# Altium PCB WX0.012.446PCB-4.2.PcbDoc (part 1 of 3) (continued)
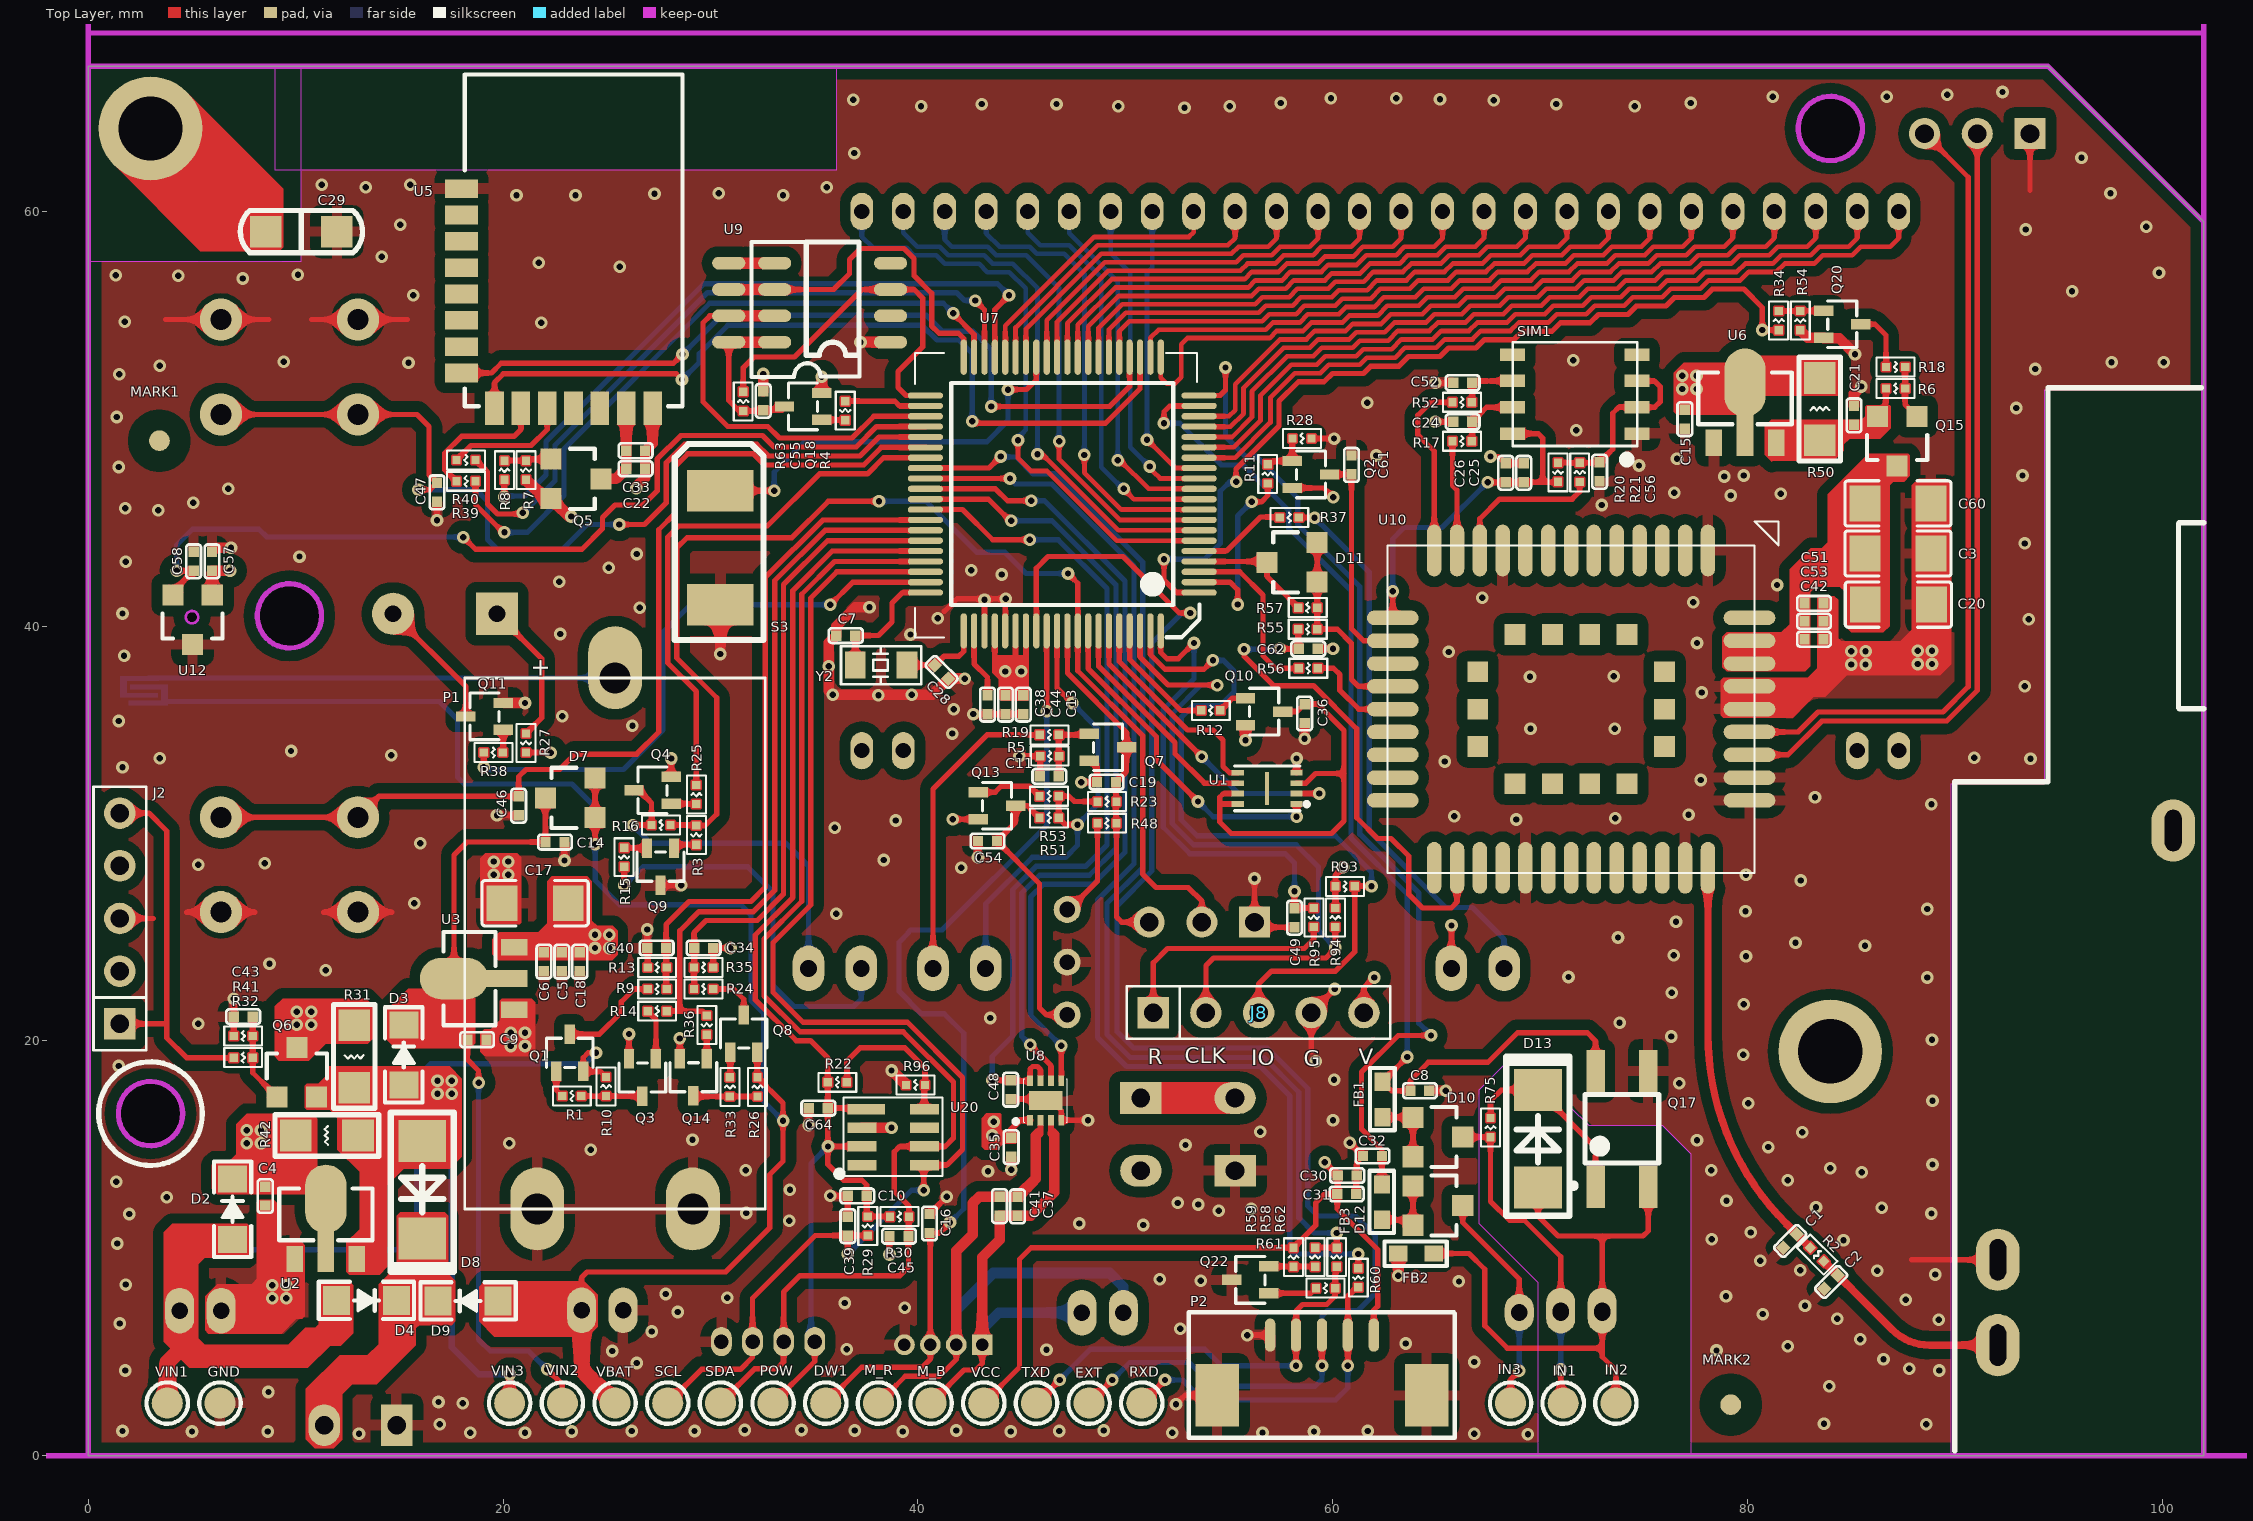
[diagram p0: Top Layer view]
## Design rules (kind name [scope] priority, off if disabled: settings)
Clearance SWS_Limit [IsComponentPad AND (AsMM(HoleSize) > 0)  AND NOT HasFootprint ('PIN254*')   AND NOT HasFootprint ('THT_BAT_14250') vs IsPAD AND (HasFootprint('*0402*') OR HasFootprint('*0603*') OR HasFootprint('*0805*') OR HasFootprint('SOT-23*')OR HasFootprint('SOT-323*'))] p1 off: gap=0.178 ignorepadtopadclearanceinfootprint=FALSE except(0: Arc-Hole Track-Hole SMDPad-Hole THPad-Hole Via-Hole Fill-Hole Poly-Hole Region-Hole Text-Hole; 4.5: SMDPad-THPad)
Clearance GKO_Limit_Track [IsTrack AND OnLayer('Keep-out Layer') vs IsPad AND (OnLayer('Top Layer') OR OnLayer('BOttom Layer'))AND not HasFootprint('TEST-PAD')AND not HasFootprint('DB809')AND not HasFootprint('Bridge_Pad')AND (Net<>'GND')] p2 off: gap=0.178 ignorepadtopadclearanceinfootprint=FALSE except(0: Arc-Hole Track-Hole SMDPad-Hole THPad-Hole Via-Hole Fill-Hole Poly-Hole Region-Hole Text-Hole; 4: Track-SMDPad)
Clearance GKO_Limit_PTH [IsPad AND  AsMM(HoleSize)>=3 vs IsPad AND (OnLayer('Top Layer') OR OnLayer('BOttom Layer'))] p3 off: gap=0.178 ignorepadtopadclearanceinfootprint=FALSE except(0: Arc-Hole Track-Hole SMDPad-Hole THPad-Hole Via-Hole Fill-Hole Poly-Hole Region-Hole Text-Hole; 4: SMDPad-THPad)
Clearance GKO_Limit_NPTH [IsArc AND OnLayer('Keep-out Layer') and (AsMM(ArcRadius) >=  1)   and (ArcStopAngle-ArcStartAngle= 360) vs IsPad AND (OnLayer('Top Layer') OR OnLayer('BOttom Layer'))AND not HasFootprint('TEST-PAD')AND not HasFootprint('Bridge_Pad')] p4 off: gap=0.178 ignorepadtopadclearanceinfootprint=FALSE except(0: Arc-Hole Track-Hole SMDPad-Hole THPad-Hole Via-Hole Fill-Hole Poly-Hole Region-Hole Text-Hole; 4: Arc-SMDPad)
Clearance ANT [InNetClass('ANT') vs InNet('GND')] p5: gap=0.508 ignorepadtopadclearanceinfootprint=FALSE except(0: Arc-Hole Track-Hole SMDPad-Hole THPad-Hole Via-Hole Fill-Hole Poly-Hole Region-Hole Text-Hole; 0.381: Arc-SMDPad Track-SMDPad SMDPad-SMDPad SMDPad-THPad SMDPad-Fill SMDPad-Poly SMDPad-Region SMDPad-Text; 0.559: Arc-Via Track-Via SMDPad-Via THPad-Via THPad-Fill THPad-Poly THPad-Region THPad-Text)
Clearance VIA-PAD-SAME [IsVia vs IsPad] p6: gap=0.381 ignorepadtopadclearanceinfootprint=FALSE except(0: Arc-Hole Track-Hole SMDPad-Via SMDPad-Hole THPad-Via THPad-Hole Via-Via Via-Hole Fill-Hole Poly-Hole Region-Hole Text-Hole)
Clearance VIA-VIA [ISVIA vs ISVIA] p7: gap=0.508 ignorepadtopadclearanceinfootprint=FALSE except(0: Arc-Hole Track-Hole SMDPad-Hole THPad-Hole Via-Hole Fill-Hole Poly-Hole Region-Hole Text-Hole)
Clearance VIA-PAD [ISVIA vs ISPAD] p8: gap=0.381 ignorepadtopadclearanceinfootprint=FALSE except(0: Arc-Hole Track-Hole SMDPad-Hole THPad-Hole Via-Hole Fill-Hole Poly-Hole Region-Hole Text-Hole)
Clearance VIA-TRACK [ISVIA vs ISTRACK] p9: gap=0.381 ignorepadtopadclearanceinfootprint=FALSE except(0: Arc-Hole Track-Hole SMDPad-Hole THPad-Hole Via-Hole Fill-Hole Poly-Hole Region-Hole Text-Hole)
Clearance Polygon [InPolygon] p10: gap=0.508 ignorepadtopadclearanceinfootprint=FALSE except(0: Arc-Hole Track-Hole SMDPad-Hole THPad-Hole Via-Hole Fill-Hole Poly-Hole Region-Hole Text-Hole)
Clearance [All] p11: gap=0.178 ignorepadtopadclearanceinfootprint=FALSE except(0: Arc-Hole Track-Hole SMDPad-Hole THPad-Hole Via-Hole Fill-Hole Poly-Hole Region-Hole Text-Hole)
ComponentClearance [All] p1 off: gap=0.254 collisioncheckmode=3 verticalgap=0.254 showdistances=FALSE
FabricationTestPointUsage TestPointUsage [All] p1: valid=0 allowmultiple=FALSE
FabricationTestpoint Testpoint [(IsPad And (OnTopLayer Or OnBottomLayer))] p1: side=3 testpointundercomponent=TRUE minsize=1.016 maxsize=2.54 preferedsize=1.524 minholesize=0 maxholesize=1.016 preferedholesize=0.813 testpointgrid=0.025 allowsidetop=TRUE allowsidebottom=TRUE usegrid=TRUE gridtolerance=0
HoleSize [All] p1 off: absolutevalues=TRUE maxlimit=7.62 minlimit=0 maxpercent=80.000 minpercent=20.000
HoleToHoleClearance [All] p1 off: gap=0.254 allowstackedmicrovias=TRUE
LayerPairs [All] p1 off: enforce=TRUE
MinimumSolderMaskSliver [All] p1 off: minsoldermaskwidth=0.254
NetAntennae [All] p1 off: netantennaetolerance=0
PlaneClearance [All] p1: clearance=0.508
PlaneConnect IRM [HasFootprint ('IRM-3638J7') AND (NET = 'GND')] p1: planeconnectstyle=NoConnect reliefexpansion=0.508 reliefentries=4 reliefconductorwidth=0.254 reliefairgap=0.254
PlaneConnect "DIP_Wire-To-Board Connector" [(HasFootprint ('PH2.0-2P') or HasFootprint ('1.5-4AW')  or HasFootprint ('PH200_1*')or HasFootprint ('CONN-TH_530480410')) AND (NET = 'GND')] p2: planeconnectstyle=NoConnect reliefexpansion=0.508 reliefentries=4 reliefconductorwidth=0.254 reliefairgap=0.254
PlaneConnect DIP_KEY1 [HasFootprint ('SWT_4_600_600')] p3: planeconnectstyle=NoConnect reliefexpansion=0.508 reliefentries=4 reliefconductorwidth=0.254 reliefairgap=0.254
PlaneConnect DIP_ELECT_CAP [(HasFootprint('CAPPC_350_800_1400') OR HasFootprint('CAPPC_350_800_1200') OR HasFootprint('CAPPC_350_800_1600R') OR HasFootprint('THT_BAT_14250')) and (net ='GND')] p4: planeconnectstyle=NoConnect reliefexpansion=0.508 reliefentries=4 reliefconductorwidth=0.254 reliefairgap=0.254
PlaneConnect "VIA_Direct Connect" [IsVia] p5: planeconnectstyle=Direct reliefexpansion=0.508 reliefentries=4 reliefconductorwidth=0.254 reliefairgap=0.254
PlaneConnect PIN_HEADER1 [HasFootprint ('*PIN254*')    AND (NET ='GND')] p6: planeconnectstyle=NoConnect reliefexpansion=0.508 reliefentries=4 reliefconductorwidth=0.254 reliefairgap=0.254
PlaneConnect [All] p7: planeconnectstyle=Relief reliefexpansion=0.508 reliefentries=4 reliefconductorwidth=0.508 reliefairgap=0.254
PolygonConnect DIP_KEY [HasFootprint ('SWT_4_600_600') vs InNet('GND')] p1: connectstyle=NoConnect reliefconductorwidth=0.254 reliefentries=4 polygonreliefangle="90 Angle" airgapwidth=0.254
PolygonConnect PIN_HEADER [All vs HasFootprint ('PIN254*')] p2: connectstyle=NoConnect reliefconductorwidth=0.254 reliefentries=4 polygonreliefangle="90 Angle" airgapwidth=0.508
PolygonConnect COVER_OPEN_SWITCH [HasFootprint('KEY')  Or  HasFootprint('KFT DIP-5.8X5.8') vs InNet('GND')] p3: connectstyle=NoConnect reliefconductorwidth=0.254 reliefentries=4 polygonreliefangle="90 Angle" airgapwidth=0.508
PolygonConnect SMD_ELECT_CAP [HasFootprint('CAPSM_178_660_780')  Or  HasFootprint('CAPSM_400_1000_1050') Or  HasFootprint('SMD_C 10*10.2') vs Net Like ('*GND*')] p4: connectstyle=Relief reliefconductorwidth=1.016 reliefentries=4 polygonreliefangle="90 Angle" airgapwidth=0.508
PolygonConnect [isvia] p5: connectstyle=Direct reliefconductorwidth=0.381 reliefentries=4 polygonreliefangle="90 Angle" airgapwidth=0.254
PolygonConnect PolygonConnect_1 [All] p6: connectstyle=Relief reliefconductorwidth=0.508 reliefentries=4 polygonreliefangle="90 Angle" airgapwidth=0.508
RoutingVias [All] p1: holewidth=0.254 width=0.508 viastyle="Through Hole" minholewidth=0.127 minwidth=0.127 maxholewidth=1.27 maxwidth=2.54
SilkToBoardRegionClearance [All] p1 off:
SilkToSilkClearance [All] p1 off: silktosilkclearance=0.254
SilkToSolderMaskClearance [IsPad] p1 off: minsilkscreentomaskgap=0.254 clearancetoexposedcopper=TRUE
SolderMaskExpansion [All] p1: expansion=0.102
Width LCD [InNetClass('LCD')] p1: maxlimit=0.229 minlimit=0.229 preferedwidth=0.229
Width [All] p2: maxlimit=7.62 minlimit=0.203 preferedwidth=0.203
17 further rules are at their usual default settings.

## Classes and differential pairs
net class ANT: NetC1_1 NetC2_1
component class WX0.012.461DL: * B1 C3 C4 C5 C6 C7 C8 C9 C10 C11 C12 C13 C14 C15 C16 C17 C18 C19 C20 C21 C23 C28 C29 C30 C31 C32 C34 C35 C36 C37 C38 C39 C40 C41 C42 C43 C44 C45 C46 C47 C48 C49 C50 C51 C53 C54 C55 C60 C64 D1 D2 D3 D4 D5 D6 D7 D8 D9 D10 D12 D13 DW1 EXT FB1 FB2 FB3 GND IN1 IN2 IN3 J1 J2 J3 J4 J6 J7 J8 J9 LCD1 M_B M_R MARK1 MARK2 P1 P2 P3 P4 P5 POW Q1 Q3 Q4 Q6 Q7 Q8 Q9 Q10 Q11 Q13 Q14 Q15 Q17 Q18 Q20 Q22 R1 R3 R4 R5 R6 R9 R10 R12 R13 R14 R15 R16 R18 R19 R22 R23 R24 R25 R26 R27 R29 R30 R31 R32 R33 R34 R35 R36 R37 R38 R41 R42 R48 R50 R51 R53 R54 R58 R59 R60 R61 R62 R63 R75 R93 R94 R95 R96 RXD S1 S2 SCL SDA TXD U1 U2 U3 U4 U6 U7 U8 U9 U20 VBAT VCC VIN1 VIN2 VIN3 Y2
component class WX0.012.462DL: C1 C2 C22 C24 C25 C26 C33 C52 C56 C57 C58 C61 C62 D11 P6 Q2 Q5 R2 R7 R8 R11 R17 R20 R21 R28 R39 R40 R52 R55 R56 R57 S3 SIM1 U5 U10 U12 W1
net class LCD: COM0 COM1 COM2 COM3 COM4 COM5 COM6 COM7 SEG0 SEG1 SEG2 SEG3 SEG4 SEG5 SEG6 SEG7 SEG8 SEG9 SEG10 SEG11 SEG12 SEG32 SEG33 SEG34 SEG35 SEG36
net class ESAM: ESAM_CLK ESAM_NC ESAM_POW ESAM_RST ESAM_SDA NetC55_1 NetQ18_1
net class LED: LED NetD1_2
net class FLASH: FLASH_CLK FLASH_CS FLASH_CTL FLASH_MISO FLASH_MOSI NetC36_1 NetQ10_1
net class GPRS: GPRS-RXD GPRS-TXD GPRS_3.6V GPRS_POWER GPRS_RST MCU_RXD0 MCU_TXD0 NB_DBG_RXD NB_DBG_TXD NetC21_1 NetQ2_1 NetQ15_1 NetQ20_1 NetQ20_3 RESET SIM_CLK SIM_DATA SIM_RST USIM_CLK USIM_DATA USIM_RST USIM_VDD VDD_EXT
net class 119: 119 119_BREAK IN1 IN2 IN3 NetD10_1 NetD12_1 NetD13_2
net class BLE/SLE: BLE_PWR_CTL BLE_STATUS BLE_WAKEUP NetC22_1 NetQ5_1 NetR39_2 NetR40_1 RXD4 TXD4
net class KEY: KEY_INTP8 KEY_INTP15
net class CAP: COVER_OPEN_DET
net class VALVE: VLV_B VLV_CLOSE VLV_O/C_DET VLV_OPEN VLV_R VLV_SLEEP
net class TP: NetR22_1 WY_POW WY_SCL WY_SDA
net class UMU: HIC1_EXT HIC1_RXD HIC1_TXD NetP2_2 NetP2_4 NetQ22_1 NetQ22_2
net class BEEP: BUZZ NetB1_1 NetB1_2 NetQ11_1
net class PWR_CHK: NetQ1_1 NetQ1_3 NetQ3_1 NetQ3_3 NetQ8_1 NetQ8_3 NetQ14_1 NetQ14_3 VBAT VBAT_SENSE_ADC14 VIN VIN_SENSE_ADC6 VOL_SENSE_EN
net class IRDA: CSB_IRDA_RX Csb_Irda_RXD_En CSB_IRDA_TX Csb_Irda_TXD_En NetC11_1 NetC54_2 NetD5_1 NetD5_2 NetD6_1 NetQ4_1 NetQ9_1 NetQ9_2 NetQ13_1 NetR48_1
net class PWR: 3.6V 5V NetC12_1 NetC12_2 NetC43_1 NetJ2_1 NetP1_1 VBAT VCC VIN VIN1 VIN_NB
net class OSC_XT32: XT1 XT2
net class "Tilt Switch": X1
net class GND: GND

## Components (designator, comment, footprint, x,y, rotation, side; value= is the part's Value field where it differs from the comment)
* "Bar Code1" "Bar Code1" 7.01,24.333 r0 bottom
B1 "HYT-0903" HYT-0903 19.7,40.6 r180 bottom locked
C1 "NC" CAP0402 82.064,10.357 r225 top
C2 "NC" CAP0402 84.04,8.381 r225 top
C3 "100uF/6.3V" GRM1206 87.263,43.506 r270 top
C4 "100nF/50V" CAP0402 8.534,12.522 r270 top
C5 "100nF/50V" CAP0402 22.835,23.825 r270 top
C6 "10uF/10V" CAP0402 21.971,23.825 r270 top
C7 "12pF/50V" CAP0402 36.525,39.548 r0 top
C8 "100nF/50V" CAP0402 64.211,17.602 r0 top
C9 "10uF/10V" CAP0402 18.745,20.066 r0 top
C10 "100nF/50V" CAP0402 37.078,12.532 r180 top
C11 "10pF/50V" CAP0402 46.342,32.761 r180 top
C12 "1F/2.75V" CAPPC_350_800_1400 48.85,19.75 r90 bottom locked
C13 "100nF/50V" CAP0402 45.085,36.22 r90 top
C14 "100nF/50V" CAP0402 22.504,29.591 r0 top
C15 "100nF/50V" CAP0402 76.987,49.987 r270 top
C16 "100nF/50V" CAP0402 40.564,11.201 r90 top
C17 "100uF/16V" GRM31CR60J107ME39L 23.139,26.645 r180 top
C18 "22pF/50V" CAP0402 23.698,23.825 r270 top
C19 "100pF/50V" CAP0402 49.098,32.483 r180 top
C20 "100uF/16V" GRM31CR60J107ME39L 85.688,41.043 r0 top
C21 "100nF/50V" CAP0402 85.141,50.165 r90 top
C22 "10uF/10V" CAP0402 26.391,47.6 r0 top
C23 "1000uF/10V" CAPPC_350_800_1200 17.374,3.378 r0 bottom
C24 "33pF/50V" CAP0402 66.269,49.86 r180 top
C25 "100nF/50V" CAP0402 69.215,47.396 r270 top
C26 "33pF/50V" CAP0402 68.351,47.396 r90 top
C28 "12pF/50V" CAP0402 41.148,37.795 r135 top
C29 "103P/1KV" CAP1206 8.56,59.03 r0 top
C30 "10uF/10V" CAP0402 60.706,13.513 r0 top
C31 "100nF/50V" CAP0402 60.681,12.624 r0 top
C32 "100nF/50V" CAP0402 61.925,14.453 r0 top
C33 "1uF/16V" CAP0402 26.391,48.463 r0 top
C34 "10pF/50V" CAP0402 29.67,24.486 r180 top
C35 "100nF/50V" CAP0402 44.501,14.884 r270 top
C36 "100nF/50V" CAP0402 58.649,35.789 r270 top
C37 "100nF/50V" CAP0402 44.808,12.025 r270 top
C38 "100nF/50V" CAP0402 43.358,36.22 r270 top
C39 "33pF/50V" CAP0402 36.627,11.074 r270 top
C40 "10pF/50V" CAP0402 27.407,24.486 r0 top
C41 "33pF/50V" CAP0402 43.942,12.04 r90 top
C42 "10pF/50V" CAP0402 83.21,39.374 r0 top
C43 "100nF/50V" CAP0402 7.471,21.177 r180 top
C44 "100nF/50V" CAP0402 44.226,36.22 r90 top
C45 "33pF/50V" CAP0402 39.091,10.592 r180 top
C46 "100nF/50V" CAP0402 20.752,31.344 r90 top
C47 "100nF/50V" CAP0402 16.815,46.457 r90 top
C48 "100nF/50V" CAP0402 44.475,17.653 r90 top
C49 "33pF/50V" CAP0402 58.161,25.944 r90 top
C50 "1F/2.75V" CAPPC_350_800_1400 57.2,11.25 r270 bottom
C51 "100nF/50V" CAP0402 83.21,41.101 r0 top
C52 "33pF/50V" CAP0402 66.269,51.74 r180 top
C53 "33pF/50V" CAP0402 83.21,40.237 r0 top
C54 "100nF/50V" CAP0402 43.358,29.642 r0 top
C55 "100nF/50V" CAP0402 32.544,50.867 r90 top
C56 "33pF/50V" CAP0402 72.873,47.447 r270 top
C57 "1uF/16V" CAP0402 5.969,43.129 r90 top
C58 "1nF/50V" CAP0402 5.08,43.129 r90 top
C60 "100uF/6.3V" GRM1206 87.263,45.919 r270 top
C61 "33pF/50V" CAP0402 60.909,47.777 r90 top
C62 "1uF/16V" CAP0402 58.826,38.913 r0 top
C64 "100nF/50V" CAP0402 35.204,16.764 r180 top
D1 "LED_T3R" IR_254_1000_500 67,23.5 r180 bottom locked
D2 "DS36W" SOD-123FL 6.96,10.363 r90 top
D3 "DS12W" SOD-123FL 15.215,17.805 r90 top
D4 "DS36W" SOD-123FL 11.887,7.493 r0 top
D5 "AT205B" IR_254_1000_500_TX 36,23.5 r180 bottom locked
D6 "AT405-PD-01" IR_254_1000_500_RX 42,23.5 r180 bottom
D7 "BAT54CLT1" SOT-23 23.241,31.725 r90 top
D8 "SS12" DO-214AC 16.104,12.827 r270 top
D9 "DS36W" SOD-123FL 19.837,7.468 r180 top
D10 "BAT54CLT1" SOT-23 65.075,15.367 r270 top
D11 "BAT54CLT1" SOT-23 58.039,43.078 r90 top
D12 "BAT54CLT1" SOT-23 65.075,12.065 r270 top
D13 "M7A" DO-214AC 69.901,15.291 r90 top
DW1 "TEST-PAD" TEST-PAD 35.56,2.54 r0 top
EXT "TEST-PAD" TEST-PAD 48.26,2.54 r90 top
FB1 "FB03SN3000_30R" IND0603 62.408,18.034 r270 top
FB2 "FB03SN3000_30R" IND0603 63.17,9.754 r0 top
FB3 "FB03SN3000_30R" IND0603 62.382,13.081 r270 top
GND "TEST-PAD" TEST-PAD 6.35,2.54 r90 top
IN1 "TEST-PAD" TEST-PAD 71.12,2.54 r0 top
IN2 "TEST-PAD" TEST-PAD 73.66,2.54 r0 top
IN3 "TEST-PAD" TEST-PAD 68.58,2.54 r180 top
J1 "PH200_1*2R" PH200_1*2R 24.79,7.01 r180 bottom locked
J2 "Pin HDR1X5" PIN254_1*5SR 1.524,20.828 r90 top
J3 "1.5-4AW" 1.5-4AW 32.779,5.504 r0 bottom locked
J4 "1.5-4AW" CONN-TH_530480410 41.229,5.354 r180 bottom locked
J6 "PH200_1*2R" PH200_1*2R 48.91,6.898 r180 bottom locked
J7 "PH200_1*2R" PH200_1*2R 5.41,7 r180 bottom locked
J8 "Header 5" PIN254_1*5SR 51.352,21.371 r0 top
J9 "PIN254_1*3*WXHJ" PIN254_1*3*WXHJ 56.236,25.73 r180 bottom
LCD1 "8COM×18SEG" JR-H26263ARP 62.3,47 r180 bottom locked
M_B "TEST-PAD" TEST-PAD 40.64,2.54 r90 top
M_R "TEST-PAD" TEST-PAD 38.1,2.54 r90 top
MARK1 "MARK" MARK 3.429,48.946 r90 top
MARK2 "MARK" MARK 79.197,2.464 r90 top
P1 "Component_2" THT_BAT_14250 25.4,37.5 r270 top locked
P2 "SM05B" SMT-1.25-5 59.487,5.817 r0 top
P3 "PH200_1*3R" PH200_1*3R 69,6.908 r180 bottom locked
P4 "Bridge_Pad" Bridge_Pad 3.683,36.373 r180 bottom
P5 "PH200_1*2R" PH200_1*2R 72,7 r180 bottom locked
P6 "模块调试" PIN254_1*3*WXHJ 93.624,63.754 r180 bottom
POW "TEST-PAD" TEST-PAD 33.02,2.54 r90 top
Q1 "PNPS-9012" SOT-323-3_L2.0-W1.3-P1.30-LS2.1-BR 23.216,19.431 r270 top
Q2 "NPNS-9013" SOT-323-3_L2.0-W1.3-P1.30-LS2.1-BR 58.954,47.317 r180 top
Q3 "NPNS-9013" SOT-323-3_L2.0-W1.3-P1.30-LS2.1-BR 26.721,18.237 r90 top
Q4 "PNPS-9012" SOT-323-3_L2.0-W1.3-P1.30-LS2.1-BR 27.212,32.088 r0 top
Q5 "UT3401ZG" SOT-23 23.521,47.108 r270 top
Q6 "UT3401ZG" SOT-23 10.058,18.491 r0 top
Q7 "NPNS-9013" SOT-323-3_L2.0-W1.3-P1.30-LS2.1-BR 49.169,34.161 r180 top
Q8 "PNPS-9012" SOT-323-3_L2.0-W1.3-P1.30-LS2.1-BR 31.608,20.355 r270 top
Q9 "PNPS-9012" SOT-323-3_L2.0-W1.3-P1.30-LS2.1-BR 27.593,28.405 r90 top
Q10 "PNPS-9012" SOT-323-3_L2.0-W1.3-P1.30-LS2.1-BR 56.699,35.882 r180 top
Q11 "NPNS-9013" SOT-323-3_L2.0-W1.3-P1.30-LS2.1-BR 19.103,35.65 r0 top
Q13 "PNPS-9012" SOT-323-3_L2.0-W1.3-P1.30-LS2.1-BR 43.815,31.344 r180 top
Q14 "NPNS-9013" SOT-323-3_L2.0-W1.3-P1.30-LS2.1-BR 29.178,18.253 r90 top
Q15 "UT3401ZG" SOT-23 87.224,48.92 r180 top
Q17 "EL357N" EL357D 73.948,15.766 r90 top
Q18 "PNPS-9012" SOT-323-3_L2.0-W1.3-P1.30-LS2.1-BR 34.468,50.597 r0 top
Q20 "NPNS-9013" SOT-323-3_L2.0-W1.3-P1.30-LS2.1-BR 84.576,54.561 r180 top
Q22 "PNPS-9012" SOT-323-3_L2.0-W1.3-P1.30-LS2.1-BR 56.032,8.484 r0 top
R1 "10K 5%" RES0402 23.317,17.348 r180 top
R2 "0R 5%" RES0402 83.363,9.703 r135 top
R3 "3K 5%" RES0402 29.321,29.929 r270 top
R4 "3K 5%" RES0402 36.5,50.394 r270 top
R5 "47K 5%" RES0402 46.36,33.735 r0 top
R6 "2M 5%" RES0402 87.147,51.46 r180 top
R7 "2M 5%" RES0402 21.107,47.523 r270 top
R8 "200K 5%" RES0402 20.066,47.523 r90 top
R9 "330K 5%" RES0402 27.432,22.504 r0 top
R10 "10K 5%" RES0402 24.968,17.805 r90 top
R11 "3K 5%" RES0402 56.871,47.346 r90 top
R12 "3K 5%" RES0402 54.127,35.941 r0 top
R13 "220K 5%" RES0402 27.432,23.546 r180 top
R14 "3K 5%" RES0402 27.432,21.438 r180 top
R15 "100R 5%" RES0402 25.841,28.862 r270 top
R16 "20K 5%" RES0402 27.619,30.411 r180 top
R17 "22R 5%" RES0402 66.243,48.92 r0 top
R18 "200K 5%" RES0402 87.147,52.502 r0 top
R19 "20K 5%" RES0402 46.342,34.761 r180 top
R20 "10K 5%" RES0402 70.866,47.422 r270 top
R21 "22R 5%" RES0402 71.914,47.419 r90 top
R22 "10K 5%" RES0402 36.119,18.009 r180 top
R23 "20K 5%" RES0402 49.124,31.543 r180 top
R24 "330K 5%" RES0402 29.67,22.504 r180 top
R25 "10K 5%" RES0402 29.321,31.885 r90 top
R26 "10K 5%" RES0402 32.267,17.786 r90 top
R27 "51R 5%" RES0402 21.107,34.366 r270 top
R28 "1K 5%" RES0402 58.522,49.047 r180 top
R29 "5.1K 5%" RES0402 37.586,11.082 r270 top
R30 "5.1K 5%" RES0402 39.116,11.532 r0 top
R31 "0R 5%" RES1206 12.827,17.755 r90 top
R32 "10R" RES0402 7.471,19.196 r180 top
R33 "10K 5%" RES0402 30.938,17.786 r90 top
R34 "3K 5%" RES0402 81.509,54.737 r90 top
R35 "220K 5%" RES0402 29.67,23.546 r0 top
R36 "3K 5%" RES0402 29.824,20.768 r270 top
R37 "1K 5%" RES0402 57.912,45.237 r0 top
R38 "3K 5%" RES0402 19.533,33.909 r0 top
R39 "0R 5%" RES0402 18.212,46.99 r180 top
R40 "0R 5%" RES0402 18.215,48.013 r0 top
R41 "1M" RES0402 7.471,20.237 r180 top
R42 "0R 5%" RES1206 10.008,15.443 r0 top
R48 "51R 5%" RES0402 49.124,30.501 r0 top
R50 "0R 5%" RES1206 83.49,51.968 r270 top
R51 "0R 5%" RES0402 46.33,30.759 r180 top
R52 "22R 5%" RES0402 66.243,50.8 r0 top
R53 "3K 5%" RES0402 46.33,31.801 r180 top
R54 "47K 5%" RES0402 82.55,54.737 r90 top
R55 "20K 5%" RES0402 58.801,39.853 r0 top
R56 "1K 5%" RES0402 58.826,37.973 r0 top
R57 "1K 5%" RES0402 58.801,40.894 r180 top
R58 "1K 5%" RES0402 59.157,9.576 r270 top
R59 "10K 5%" RES0402 58.115,9.576 r90 top
R60 "1K 5%" RES0402 61.239,8.585 r270 top
R61 "10K 5%" RES0402 59.661,8.084 r0 top
R62 "1K 5%" RES0402 60.198,9.576 r270 top
R63 "20K 5%" RES0402 31.579,50.842 r90 top
R75 "3K 5%" RES0402 67.615,15.824 r90 top
R93 "10K 5%" RES0402 60.604,27.457 r0 top
R94 "10K 5%" RES0402 60.133,25.953 r90 top
R95 "100R 5%" RES0402 59.096,25.954 r270 top
R96 "10K 5%" RES0402 39.889,17.882 r180 top
RXD "TEST-PAD" TEST-PAD 50.8,2.54 r90 top
S1 "SWT_4_600_600_430" SWT_4_600_600 9.7,52.5 r180 bottom locked
S2 "SWT_4_600_600_430" SWT_4_600_600 9.7,28.5 r0 bottom
S3 "SWS_2_520_300_300" SWS_2_520_300 30.48,46.533 r90 top
SCL "TEST-PAD" TEST-PAD 27.94,2.54 r90 top
SDA "TEST-PAD" TEST-PAD 30.48,2.54 r90 top
SIM1 "SIM  IC" SIMIC 68.682,53.691 r270 top locked
TXD "TEST-PAD" TEST-PAD 45.72,2.54 r90 top
U1 "GD25VQ80CSIG" USON8-EP(2x3) 56.845,32.182 r90 top
U2 "CE6232A50P" SOT-89 11.455,10.389 r0 top
U3 "CE6232A33P" SOT-89 19.634,23.012 r90 top
U4 "IRM-3638J7" IRM-3638J7 47.2,23.8 r180 bottom locked
U5 "DB809S" DB809S 22.606,55.804 r180 top
U6 "CE6232A33P" SOT-89 79.885,49.739 r0 top
U7 "FM33LG0x8" LQFP80 46.965,46.374 r180 top locked
U8 "DRV8837DSGR" S-PWSON-N8 46.166,17.128 r90 top
U9 "ESAM" SOP-8L-200MIL/SOP-8 38.684,53.696 r180 top
U10 "BC28-CNS" BC28-CNS 71.5,36 r270 top locked
U12 "S-5712ACDL1" SOT-23 5.029,40.31 r180 top locked
U20 "HP303B" HP303B 38.811,15.367 r0 top
VBAT "TEST-PAD" TEST-PAD 25.4,2.54 r180 top
VCC "TEST-PAD" TEST-PAD 43.18,2.54 r90 top
VIN1 "TEST-PAD" TEST-PAD 3.81,2.54 r180 top
VIN2 "TEST-PAD" TEST-PAD 22.86,2.54 r180 top
VIN3 "TEST-PAD" TEST-PAD 20.32,2.54 r180 top
W1 "ANT-DIP-3" ANT-DIP-3 92.075,5.334 r180 bottom locked
Y2 "XTALSG12MD_32.768kD" SMD-3215_2P 39.482,38.121 r180 top

## Footprints (in the part's own frame and the unit in brackets; to place one, negate y for a bottom-side part, rotate by r counter-clockwise, add the part's x,y. Pads: shape width x height; smd on the part's side, far side on the other; paste and mask are expansions set on the pad)
1.5-4AW [mm]
  oval 1x1.4 hole 0.7: 1(2.25,0) 2(0.75,0) 3(-0.75,0) 4(-2.25,0)
  silkscreen extent -3.75,-1.4 3.75,4.6, body extent -3.75,-0.2 3.75,4.8, height 3.6
ANT-DIP-3 [mm]
  oval 2.1x3 hole 0.8 slot 2 at 90 deg: 0(-8.458,24.816) 1(0,0) 2(0,4.115)
  GND pour cut-out: -2.425,46.166 -2.425,27.166 2.075,27.166 2.075,-5.219 -10.117,-5.219 -10.117,30.683 -10.117,46.166
  silkscreen extent -9.93,-5.11 2.08,46.17
"Bar Code1" [mm]
  silkscreen extent 0,0 24.5,6.5
BC28-CNS [mm] "BC28-CNS Moudle 58Pin 15.8X17.7mm H2.2mm RO"
  oval 2.5x0.7 smd mask+0.05: 1(-7.65,6.6) 2(-7.65,5.5) 3(-7.65,4.4) 4(-7.65,3.3) 5(-7.65,2.2) 6(-7.65,1.1) 7(-7.65,0) 8(-7.65,-1.1) 9(-7.65,-2.2) 10(-7.65,-3.3) 11(-7.65,-4.4) 12(-7.65,-5.5) 13(-7.65,-6.6) 23(7.65,-6.6) 24(7.65,-5.5) 25(7.65,-4.4) 26(7.65,-3.3) 27(7.65,-2.2) 28(7.65,-1.1) 29(7.65,0) 30(7.65,1.1) 31(7.65,2.2) 32(7.65,3.3) 33(7.65,4.4) 34(7.65,5.5) 35(7.65,6.6)
  oval 0.7x2.5 smd mask+0.05: 14(-4.4,-8.6) 15(-3.3,-8.6) 16(-2.2,-8.6) 17(-1.1,-8.6) 18(0,-8.6) 19(1.1,-8.6) 20(2.2,-8.6) 21(3.3,-8.6) 22(4.4,-8.6) 36(4.4,8.6) 37(3.3,8.6) 38(2.2,8.6) 39(1.1,8.6) 40(0,8.6) 41(-1.1,8.6) 42(-2.2,8.6) 43(-3.3,8.6) 44(-4.4,8.6)
  rect 1x1 smd mask+0.05: 45(-3.6,2.7) 46(-3.6,0.9) 47(-3.6,-0.9) 48(-3.6,-2.7) 49(-1.8,-4.5) 50(0,-4.5) 51(1.8,-4.5) 52(3.6,-2.7) 53(3.6,-0.9) 54(3.6,0.9) 55(3.6,2.7) 56(1.8,4.5) 57(0,4.5) 58(-1.8,4.5)
  silkscreen extent -9.05,-8.85 7.9,10, body extent -7.9,-8.85 7.9,8.85, height 1.4
Bridge_Pad [mm]
  round 0.3 smd mask+0: 0(1.981,1.041) 1(0,0)
  Top Layer region: -0.152,-0.178 -0.152,0.813 1.651,0.813 1.651,0.584 0.152,0.584 0.152,0.025 1.721,0.025 1.721,-0.178
  Top Layer region: 2.134,1.219 2.134,0.203 0.33,0.203 0.33,0.406 1.829,0.406 1.829,0.991 0.254,0.991 0.254,1.219
CAP0402 [mm]
  rect 0.5x0.5 smd: 1(-0.457,0) 2(0.457,0)
  silkscreen extent -0.81,-0.36 0.81,0.36, body extent -0.5,-0.25 0.5,0.25, height 0.5
CAP1206 [mil]
  rect 60x60 smd: 1(0,0) 2(134.8,0)
  silkscreen extent -48,-40 184,40, body extent -15,-29 163,29, height 20
CAPPC_350_800_1200 [mm]
  oval 1.524x2 hole 0.9: 1(-6,1.905)
  rect 1.524x2 hole 0.9: 2(-2.5,1.905)
  silkscreen extent -8.5,-12 0,1.02, body extent -8.27,-11.94 -0.27,0.06, height 8
CAPPC_350_800_1400 [mm]
  oval 1.524x2 hole 0.9: 1(-6,1.905)
  rect 1.524x2 hole 0.9: 2(-2.5,1.905)
  silkscreen extent -8.5,-14 0,1.02, body extent -8.25,-13.98 -0.25,0.02, height 8
CONN-TH_530480410 [mm]
  rect 1x1 hole 0.6 paste+0.051: 1(-1.875,0)
  round 1 hole 0.6 paste+0.051: 2(-0.625,0)
  round 1 hole 0.6 copper offset 0,0 paste+0.051: 3(0.625,0) 4(1.875,0)
  silkscreen extent -3.43,-4.45 3.41,1.15, body extent -3.37,-4.15 3.38,0.55, height 3.2
DB809S [mm]
  rect 1.6x0.9 smd: 1(4.605,-5.295) 2(4.605,-4.025) 3(4.605,-2.755) 4(4.605,-1.485) 5(4.605,-0.215) 6(4.605,1.055) 7(4.605,2.325) 8(4.605,3.595)
  rect 0.9x1.6 smd: 9(3.015,5.295) 10(1.745,5.295) 11(0.475,5.295) 12(-0.795,5.295) 13(-2.065,5.295) 14(-3.335,5.295) 15(-4.605,5.295)
  silkscreen extent -6.04,-10.8 4.45,5.2, body extent -6.1,-10.79 4.4,5.21, height 2.1
DO-214AC [mil]
  rect 80x90.55 smd: 1(-92.5,0) 2(92.5,0)
  silkscreen extent -146,-60 156,60, body extent -91,-53 90,53, height 94
EL357D [mil]
  rect 80x35 smd: 1(-110,50) 2(-110,-50) 3(110,-50) 4(110,50)
  silkscreen extent -113,-70 65,97, body extent -138,-81 138,81, height 87
GRM31CR60J107ME39L [mm]
  rect 1.485x1.728 smd: 1(0,0) 2(3.185,0)
  silkscreen extent -0.97,-1.09 4.16,1.09, body extent -0.01,-0.77 3.19,0.79, height 1.83
GRM1206 [mm]
  rect 1.728x1.485 smd: 1(0,-1.593) 2(0,1.593)
  silkscreen extent -1.09,-2.56 1.09,2.56, body extent -0.8,-1.64 0.8,1.64, height 1.6
HP303B [mm]
  rect 1.8x0.5 smd: 1(-1.3,1.35)
  rect 1.4x0.5 smd: 2(-1.5,0.45) 3(-1.5,-0.45) 4(-1.5,-1.35) 5(1.5,-1.35) 6(1.5,-0.45) 7(1.5,0.45) 8(1.5,1.35)
  silkscreen extent -2.74,-1.92 2.39,1.9, body extent -1.8,-1.9 1.8,1.9, height 1.17
HYT-0903 [mil]
  rect 80x80 hole 32: 1(0,0)
  round 80 hole 32: 2(196.85,0)
  silkscreen extent -79,-177 275,177, body extent -78,-176 276,178, height 217
IND0603 [mil]
  rect 35x31 smd: 1(0,0) 2(67,0)
  silkscreen extent -26,-24 92,23, body extent 0,-15 71,15, height 12
IR_254_1000_500 [mil]
  oval 60x86.61 hole 32: 1(50,0) 2(-50,0)
  silkscreen extent -103,-118 118,118, body extent -64,-65 66,65, height 182
IR_254_1000_500_RX [mil]
  oval 60x86.61 hole 32: 1(50,0) 2(-50,0)
  silkscreen extent -103,-118 118,118, body extent -99,-110 110,110, height 339
IR_254_1000_500_TX [mil]
  oval 60x86.61 hole 32: 1(50,0) 2(-50,0)
  silkscreen extent -103,-118 118,118, body extent -98,-117 117,115, height 339
IRM-3638J7 [mm]
  round 1.3 hole 0.75: 1(0,2.54) 2(0,0) 3(0,-2.54)
  silkscreen extent -1.35,-3.43 8.31,3.43, body extent -1.12,-3 8.33,3, height 5.41
JR-H26263ARP [mm]
  oval 1.1x1.8 hole 0.732: 1(25,13) 1(25,13) 2(23,13) 3(21,13) 4(19,13) 5(17,13) 6(15,13) 7(13,13) 8(11,13) 9(9,13) 10(7,13) 11(5,13) 12(3,13) 13(1,13) 14(-1,13) 15(-3,13) 16(-5,13) 17(-7,13) 18(-9,13) 19(-11,13) 20(-13,13) 21(-15,13) 22(-17,13) 23(-19,13) 24(-21,13) 25(-23,13) 26(-25,13) 27(-25,-13) 28(-23,-13) 29(23,-13) 30(25,-13)
  silkscreen extent -30.5,-13 31.5,13, body extent -30.49,-13 30.47,12.87, height 2.5
LQFP80 [mm]
  oval 1.7x0.3 smd: 1(-6.6,4.75) 2(-6.6,4.25) 3(-6.6,3.75) 4(-6.6,3.25) 5(-6.6,2.75) 6(-6.6,2.25) 7(-6.6,1.75) 8(-6.6,1.25) 9(-6.6,0.75) 10(-6.6,0.25) 11(-6.6,-0.25) 12(-6.6,-0.75) 13(-6.6,-1.25) 14(-6.6,-1.75) 15(-6.6,-2.25) 16(-6.6,-2.75) 17(-6.6,-3.25) 18(-6.6,-3.75) 19(-6.6,-4.25) 20(-6.6,-4.75) 41(6.6,-4.75) 42(6.6,-4.25) 43(6.6,-3.75) 44(6.6,-3.25) 45(6.6,-2.75) 46(6.6,-2.25) 47(6.6,-1.75) 48(6.6,-1.25) 49(6.6,-0.75) 50(6.6,-0.25) 51(6.6,0.25) 52(6.6,0.75) 53(6.6,1.25) 54(6.6,1.75) 55(6.6,2.25) 56(6.6,2.75) 57(6.6,3.25) 58(6.6,3.75) 59(6.6,4.25) 60(6.6,4.75)
  oval 0.3x1.7 smd: 21(-4.75,-6.6) 22(-4.25,-6.6) 23(-3.75,-6.6) 24(-3.25,-6.6) 25(-2.75,-6.6) 26(-2.25,-6.6) 27(-1.75,-6.6) 28(-1.25,-6.6) 29(-0.75,-6.6) 30(-0.25,-6.6) 31(0.25,-6.6) 32(0.75,-6.6) 33(1.25,-6.6) 34(1.75,-6.6) 35(2.25,-6.6) 36(2.75,-6.6) 37(3.25,-6.6) 38(3.75,-6.6) 39(4.25,-6.6) 40(4.75,-6.6) 61(4.75,6.6) 62(4.25,6.6) 63(3.75,6.6) 64(3.25,6.6) 65(2.75,6.6) 66(2.25,6.6) 67(1.75,6.6) 68(1.25,6.6) 69(0.75,6.6) 70(0.25,6.6) 71(-0.25,6.6) 72(-0.75,6.6) 73(-1.25,6.6) 74(-1.75,6.6) 75(-2.25,6.6) 76(-2.75,6.6) 77(-3.25,6.6) 78(-3.75,6.6) 79(-4.25,6.6) 80(-4.75,6.6)
  silkscreen extent -6.62,-6.81 7.1,6.91, body extent -5.33,-5.33 5.36,5.33, height 2
MARK [mm]
  round 1 smd: 0(0,0)
  round 1 smd far side: 1(0,0)
  Top Layer pour cut-out: -1.5,0 -1.5,-0.148 -1.442,-0.438 -1.329,-0.711 -1.165,-0.956 -0.956,-1.165 -0.711,-1.329 -0.438,-1.442 -0.148,-1.5 0,-1.5 0.148,-1.5 0.438,-1.442 0.711,-1.329 0.956,-1.165 1.165,-0.956 1.329,-0.711 1.442,-0.438 1.5,-0.148 1.5,0 1.5,0.148 1.442,0.438 1.329,0.711 1.165,0.956 0.956,1.165 0.711,1.329 0.438,1.442 0.148,1.5 0,1.5 -0.148,1.5 -0.438,1.442 -0.711,1.329 -0.956,1.165 -1.165,0.956 -1.329,0.711 -1.442,0.438 -1.5,0.148 -1.5,0
  Bottom Layer pour cut-out: -1.5,0 -1.5,-0.148 -1.442,-0.438 -1.329,-0.711 -1.165,-0.956 -0.956,-1.165 -0.711,-1.329 -0.438,-1.442 -0.148,-1.5 0,-1.5 0.148,-1.5 0.438,-1.442 0.711,-1.329 0.956,-1.165 1.165,-0.956 1.329,-0.711 1.442,-0.438 1.5,-0.148 1.5,0 1.5,0.148 1.442,0.438 1.329,0.711 1.165,0.956 0.956,1.165 0.711,1.329 0.438,1.442 0.148,1.5 0,1.5 -0.148,1.5 -0.438,1.442 -0.711,1.329 -0.956,1.165 -1.165,0.956 -1.329,0.711 -1.442,0.438 -1.5,0.148 -1.5,0
PH200_1*2R [mm]
  oval 1.4x2.2 hole 0.8: 1(-1,0) 2(1,0)
  silkscreen extent -3,-6 3,1.6, body extent -3.18,-6.22 3.18,1.78, height 5
PH200_1*3R [mm]
  oval 1.4x1.8 hole 0.8: 1(-4,0) 2(-2,0) 3(0,0)
  silkscreen extent -6,-6 2,1.6, body extent -5.99,-5.97 2.01,1.57, height 4
PIN254_1*3*WXHJ [mm]
  rect 1.5x1.5 hole 0.9: 1(0,0)
  round 1.5 hole 0.9: 2(2.54,0) 3(5.08,0)
  silkscreen extent -1.27,-1.27 6.35,1.27
PIN254_1*5SR [mil]
  rect 60x60 hole 35: 1(0,0)
  round 60 hole 35: 2(100,0) 3(200,0) 4(300,0) 5(400,0)
  silkscreen extent -50,-50 450,50
RES0402 [mm]
  rect 0.4x0.4 smd: 1(-0.46,0) 2(0.46,0)
  Top Layer pour cut-out: -0.483,0.381 0.483,0.381 0.483,-0.381 -0.483,-0.381 -0.483,0.381
  Top Layer region: -0.72,0.21 -0.67,0.26 -0.25,0.26 -0.2,0.21 -0.2,-0.21 -0.25,-0.26 -0.67,-0.26 -0.72,-0.21 -0.72,0.21
  Top Layer region: 0.2,0.21 0.25,0.26 0.67,0.26 0.72,0.21 0.72,-0.21 0.67,-0.26 0.25,-0.26 0.2,-0.21 0.2,0.21
  silkscreen extent -0.91,-0.46 0.91,0.46, body extent -0.5,-0.25 0.5,0.25, height 0.35
RES1206 [mil]
  rect 60x60 smd: 1(0,0) 2(118.11,0)
  silkscreen extent -39,-39 157,39, body extent -28,-29 150,29, height 20
S-PWSON-N8 [mm]
  rect 0.5x0.28 smd: 1(-0.95,0.75) 2(-0.95,0.25) 3(-0.95,-0.25) 4(-0.95,-0.75) 5(0.95,-0.75) 6(0.95,-0.25) 7(0.95,0.25) 8(0.95,0.75)
  rect 0.9x1.6 smd: 9(0,0)
  silkscreen extent -1.09,-1.05 1.04,1.52, body extent -0.98,-1 1.02,1, height 0.77
SIMIC [mm]
  rect 0.6x1.2 smd: 1(4.405,6) 2(3.135,6) 3(1.865,6) 4(0.595,6) 5(0.595,0) 6(1.865,0) 7(3.135,0) 8(4.405,0)
  silkscreen extent 0,0 5.73,6, body extent 0,0 4.95,5.97, height 0.6
SMD-3215_2P [mm]
  rect 1x1.3 smd: 1(0,0) 2(2.5,0)
  silkscreen extent -0.69,-0.91 3.19,0.91, body extent -0.3,-0.99 2.9,0.99, height 0.7
SMT-1.25-5 [mm]
  oval 0.5x1.6 smd: 1(-2.5,0) 2(-1.25,0) 3(0,0) 4(1.25,0) 5(2.5,0)
  rect 2.1x3 smd: 6(-5.05,-2.9) 7(5.05,-2.9)
  silkscreen extent -6.42,-4.95 6.4,1.1, body extent -5.7,-4.64 5.7,0.55, height 3.4
SOD-123FL [mm]
  rect 1.3x1.4 smd: 1(0.074,0) 2(2.974,0)
  silkscreen extent -0.78,-0.9 3.82,0.9, body extent -0.28,-0.82 3.32,0.83, height 0.95
SOP-8L-200MIL/SOP-8 [mm]
  oval 1.6x0.61 smd: 1(0,0) 2(0,-1.27) 3(0,-2.54) 4(0,-3.81) 5(5.588,-3.81) 5(7.8,-3.81) 6(5.588,-2.54) 6(7.8,-2.54) 7(5.588,-1.27) 7(7.8,-1.27) 8(5.588,0) 8(7.8,0)
  Top Layer lines w0.5: 7.8,0 5.588,0 ; 7.8,-1.27 5.588,-1.27 ; 7.8,-2.54 5.588,-2.54 ; 7.8,-3.81 5.588,-3.81
  silkscreen extent 1.5,-4.83 6.71,1.68, body extent -0.18,-4.35 5.82,0.55, height 1.7
SOT-23 [mil]
  rect 40x40 smd: 1(-37.4,-47.24) 2(37.4,-47.24) 3(0,47.24)
  silkscreen extent -57,-12 57,35, body extent -57,-55 57,55, height 47
SOT-89 [mm]
  rect 0.8x1.27 smd: 1(-1.5,-0.9) 3(1.5,-0.9)
  rect 0.8x2.54 smd: 2(0,-0.265)
  oval 2x3.3 smd: 2(0,2)
  silkscreen extent -2.25,0 2.25,2.5, body extent -2.25,-1.02 2.25,2.92, height 1.4
SOT-323-3_L2.0-W1.3-P1.30-LS2.1-BR [mm]
  rect 0.936x0.5 smd: 1(0.898,-0.65) 2(0.898,0.65) 3(-0.898,0)
  silkscreen extent -0.7,-1.13 0.7,1.13, body extent -1.07,-1.1 1.17,1.1, height 1.1
SWS_2_520_300 [mm]
  rect 2x3.2 smd: 1(0,0) 2(-5.5,0)
  silkscreen extent -7.2,-2.08 2.25,2.2, body extent -5.32,-1.58 -0.02,1.52, height 3.05
SWT_4_600_600 [mil]
  round 80 hole 40: 1(-130,-90) 1(130,-90) 2(-130,90) 2(130,90)
  silkscreen extent -180,-140 180,140, body extent -162,-118 162,118, height 193
TEST-PAD [mm]
  round 1.5 smd: 1(0,0)
  silkscreen extent -1,-1 1,1
THT_BAT_14250 [mm]
  oval 4x2.6 hole 1.5 copper offset -0.5,0: 1(0,0)
  oval 4x2.6 hole 1.5: 2(25.6,-3.75) 3(25.6,3.75)
  silkscreen extent 0,-7.25 25.6,7.25, body extent -0.38,-7.24 26.02,7.2, height 17.09
USON8-EP(2x3) [mm]
  rect 0.28x0.585 smd: 1(-0.75,-1.418) 2(-0.25,-1.418) 3(0.25,-1.418) 4(0.75,-1.418) 5(0.75,1.418) 6(0.25,1.418) 7(-0.25,1.418) 8(-0.75,1.418)
  rect 1.6x0.2 smd: 9(0,0)
  silkscreen extent -1.08,-2.01 1.08,1.58, body extent -1,-1.5 1,1.5, height 0.53